# KiCad board ENV_KB_RGB.kicad_pcb (continued)
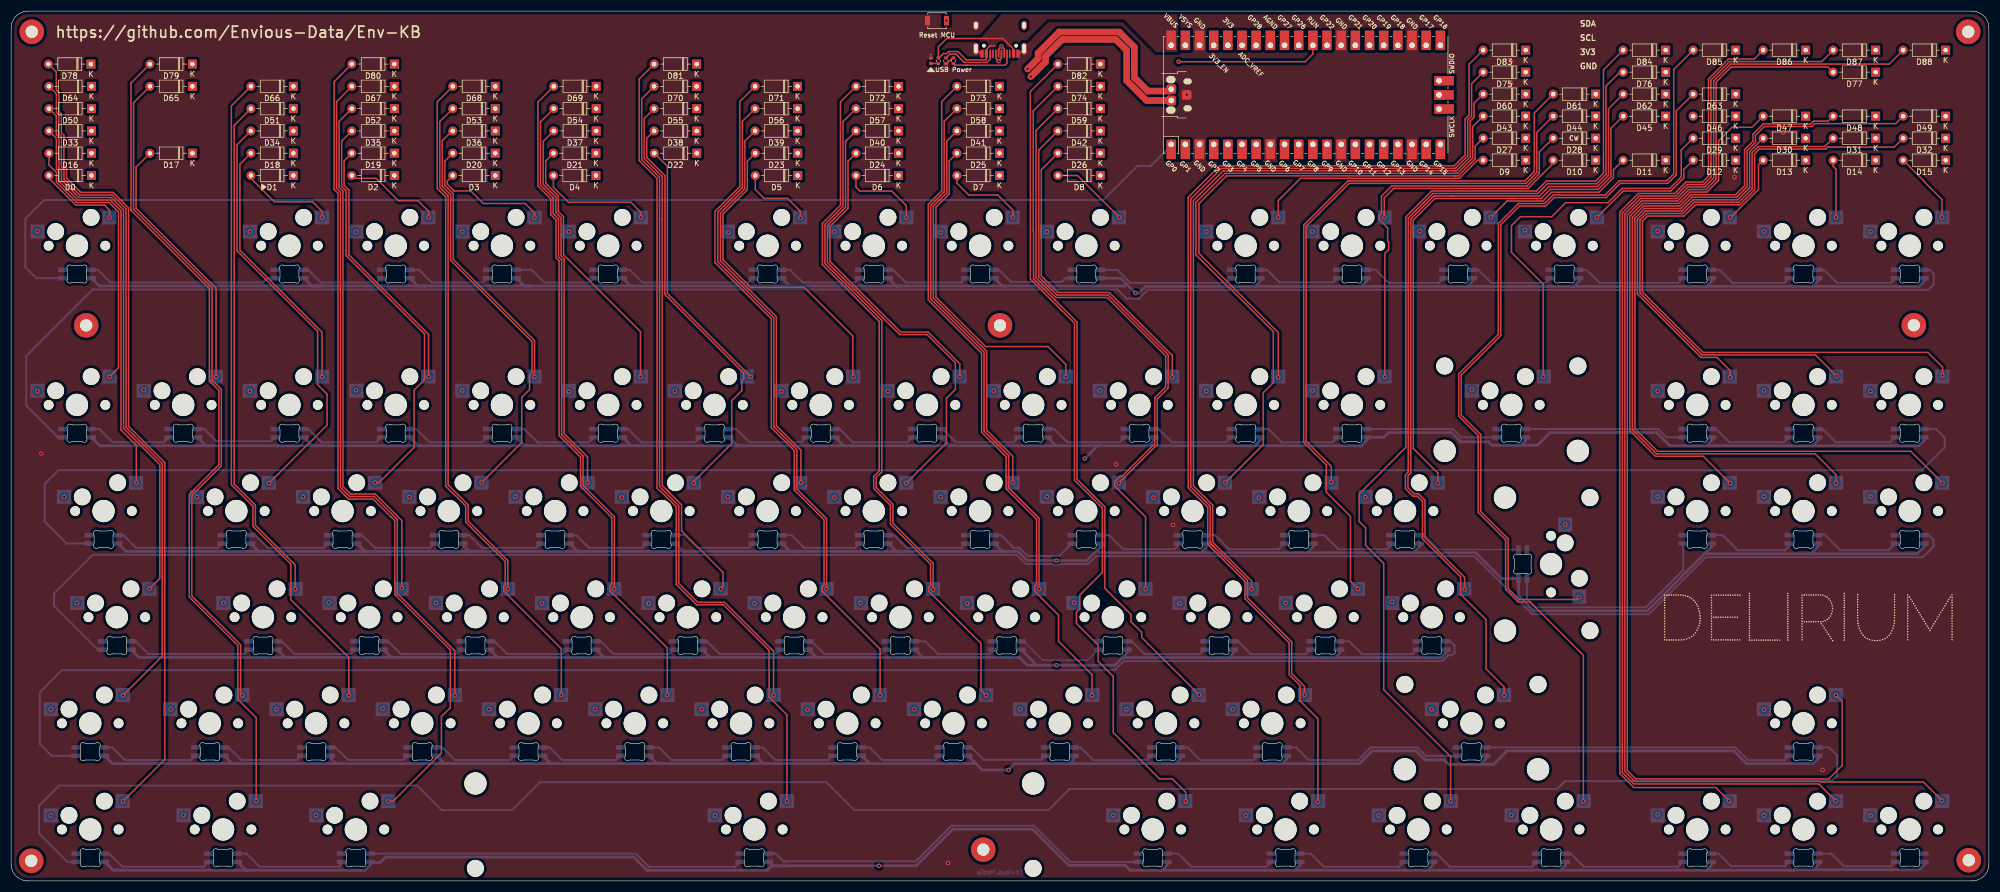
[diagram p0: board, top side]
## Routing (per net, layer and track width the routed paths; a pad name or vN(x,y) marks a point on that pad's centre or on a via; arc(x,y) is an arc through that point) (continued)
Net-(D0-Pad2): length 15
  Top w0.25: 6.78,126.6 6.78,126.1 11.58,121.3 16.7,121.3 17.64,120.36 v1(17.64,119.08)
Net-(D1-Pad2): length 16.3
  Top w0.25: v1(55.74,119.08) 55.74,120.18 54.04,121.88 47.2,121.88 42.98,126.1
Net-(D2-Pad2): length 17.5
  Top w0.25: D2.2 61.58,126.1 65.42,126.1 69.44,122.08 72.94,122.08 74.84,120.18 v1(74.84,119.08)
Net-(D3-Pad2): length 20.9
  Top w0.25: v1(93.84,119.08) 93.84,119.88 92.14,121.58 84.64,121.58 82.39,123.83 79.42,123.83 ; 79.42,123.83 79.18,124.07 ; 79.42,123.83 79.41,123.83 78.2,125.04 78.2,125.62 D3.2
Net-(D4-Pad2): length 20.1
  Top w0.25: v1(112.9,119.1) 112.9,120 111.1,121.8 99.9,121.8 97.23,124.47 97.23,126.1
Net-(D5-Pad2): length 12.9
  Top w0.25: v1(141.5,119) 141.5,120.2 139.2,122.5 135,122.5 133.42,124.08 133.42,126.1
Net-(D6-Pad2): length 14.1
  Top w0.25: 151.48,126.1 151.48,124.52 152.2,123.8 157.9,123.8 160.5,121.2 v1(160.5,119.1)
Net-(D7-Pad2): length 15
  Top w0.25: v1(179.6,119.1) 179.6,120.4 176.9,123.1 171.7,123.1 169.58,125.22 D7.2 169.58,126.27
Net-(D8-Pad2): length 14.7
  Top w0.25: 188.3,126.6 D8.2 191.2,126.6 v1(198.7,119.1)
Net-(D9-Pad2): length 43
  Top w0.25: v1(227.2,119.1) 227.2,122.1 231.19,126.09 240.01,126.09 259.67,126.09 262.93,129.35 D9.2 263.65,129.35
Net-(D10-Pad2): length 36.9
  Top w0.25: v1(246.2,119.1) 246.2,122.6 247.88,124.28 271.98,124.28 276.48,128.77 D10.2
Net-(D11-Pad2): length 28.8
  Top w0.25: v1(265.3,119.1) 268.23,122.03 274.64,122.03 276.21,123.6 284.69,123.6 287.3,126.21 287.3,127.62 D11.2
Net-(D12-Pad2): length 22.4
  Top w0.25: v1(284.31,119.08) 289.05,123.83 297.57,123.83 299.57,125.83 299.57,125.83 299.9,126.15 299.9,127.67 D12.2
Net-(D13-Pad2): length 12.8
  Top w0.25: v1(308.2,119.1) 308.32,119.1 313.3,124.08 313.3,128.52 D13.2
Net-(D14-Pad2): length 10.5
  Top w0.25: v1(327.2,119.1) 327.2,127.73 326.68,128.25 D14.2
Net-(D15-Pad2): length 13.1
  Top w0.25: v1(346.2,119.1) 346.2,122.3 342.95,125.55 342.95,125.63 D15.2
Net-(D16-Pad2): length 49.3
  Top w0.25: v1(17.64,90.48) 19.25,92.09 19.25,120.05 17.55,121.75 11.77,121.75 8.12,125.4 8.12,127.15 6.78,128.49 6.78,130.6
Net-(D17-Pad2): length 47.1
  Top w0.25: D17.2 22.4,128.12 22.4,120.72 36.74,106.38 v1(36.74,90.48)
Net-(D18-Pad2): length 47.2
  Top w0.25: 41.01,124.19 41.01,124.36 ; 41.01,124.19 41.01,128.63 D18.2 ; 41.01,124.19 41.01,113.21 55.74,98.48 v1(55.74,90.48)
Net-(D19-Pad2): length 47.1
  Top w0.25: D19.2 59.7,129.22 59.7,124.85 60.55,124 60.57,124 60.57,121.43 ; v1(74.84,90.48) 74.84,98.08 60.57,112.35 60.57,121.43 ; 60.57,121.43 60.57,121.57
Net-(D20-Pad2): length 47.4
  Top w0.25: v1(93.84,90.48) 93.84,96.98 79.25,111.57 79.25,123.35 77.75,124.85 77.75,129.17 D20.2
Net-(D21-Pad2): length 47.7
  Top w0.25: D21.2 95.85,129.22 95.85,125.2 98.1,122.95 98.1,120.12 99.04,119.18 99.04,112.38 112.84,98.58 v1(112.84,90.48)
Net-(D22-Pad2): length 47.3
  Top w0.25: v1(132.6,90.5) 117.66,105.44 117.66,128.26 D22.2
Net-(D23-Pad2): length 57.8
  Top w0.25: v1(151,90.5) 150.9,90.6 150.9,97.8 142.2,106.5 132.6,106.5 127.63,111.47 127.63,119.67 132,124.05 132,129.19 D23.2
Net-(D24-Pad2): length 54.6
  Top w0.25: D24.2 150.05,129.17 150.05,120.7 146.8,117.45 146.8,111.2 159.5,98.5 164.4,98.5 170.1,92.8 v1(170.1,90.5)
Net-(D25-Pad2): length 57.9
  Top w0.25: D25.2 168.2,129.22 168.2,123.3 165.8,120.9 165.8,104.8 174.7,95.9 185.9,95.9 189.1,92.7 v1(189.1,90.5)
Net-(D26-Pad2): length 56.6
  Top w0.25: D26.2 184.7,127.62 184.7,108.6 187.7,105.6 196.9,105.6 208.2,94.3 v1(208.2,90.4)
Net-(D27-Pad2): length 94.4
  Top w0.25: 258.84,126.54 217.94,126.54 217.93,126.53 217.92,126.53 212.97,121.57 212.97,112.63 227.2,98.4 v1(227.2,90.4) ; 258.84,126.54 259,126.54 ; 258.84,126.54 259.48,126.54 262.5,129.55 262.5,131.87 D27.2
Net-(D28-Pad2): length 70.9
  Top w0.25: D28.2 274,130.82 274,126.93 271.8,124.73 247.53,124.73 245.7,122.9 245.7,119.9 245.3,119.5 245.3,118.7 246.8,117.2 246.8,114.8 247,114.6 247,113.3 246.3,112.6 v1(246.3,90.5)
Net-(D29-Pad2): length 71.4
  Top w0.25: D29.2 299.45,131.17 299.45,126.34 297.39,124.28 288.85,124.28 286.3,121.72 278.72,121.72 276.2,119.2 270.6,119.2 269,117.6 269,112.8 274.7,107.1 v1(274.7,90.5)
Net-(D30-Pad2): length 69.4
  Top w0.25: v1(308.2,90.4) 308.2,91.6 305.85,93.95 302.98,93.95 291.59,105.34 291.59,118.38 291.59,118.75 293.06,120.22 299.54,120.22 301.57,122.25 308.65,122.25 ; 308.65,122.25 309.56,122.25 311.7,124.39 311.7,130.87 D30.2 ; 308.65,122.25 308.8,122.25
Net-(D31-Pad2): length 99
  Top w0.25: v1(327.3,90.6) 323.5,94.4 303.16,94.4 292.04,105.53 292.04,118.57 292.04,118.57 293.24,119.77 299.73,119.77 301.75,121.8 309.75,121.8 312.15,124.2 312.15,130.68 313.27,131.8 325.18,131.8 D31.2
Net-(D32-Pad2): length 130.4
  Top w0.25: 346.3,90.6 v1(346.3,90.7) 346.3,92.2 343.65,94.85 303.35,94.85 292.49,105.71 292.49,118.38 293.43,119.32 299.94,119.32 301.97,121.35 309.93,121.35 312.6,124.02 312.6,130.5 313.45,131.35 325.37,131.35 325.72,131.7 337.63,131.7 D32.2
Net-(D33-Pad2): length 73
  Top w0.25: v1(22.44,71.48) 22.44,78.18 19.7,80.92 19.7,120.24 17.74,122.2 11.95,122.2 8.57,125.58 8.57,127.34 8.11,127.8 8.11,133.27 6.78,134.6
Net-(D34-Pad2): length 75.2
  Top w0.25: v1(46.24,71.38) 56.64,81.78 56.64,87.38 54.94,89.08 54.94,98.64 40.5,113.08 40.5,132.12 D34.2
Net-(D35-Pad2): length 74.3
  Top w0.25: 59.25,132.77 59.34,132.86 ; 59.25,132.77 59.25,124.66 60.06,123.85 60.06,113.2 60.04,113.18 60.04,112.24 74.12,98.17 74.12,89.95 72.24,88.08 72.24,77.78 65.94,71.48 v1(65.24,71.48) ; 59.25,132.77 D35.2
Net-(D36-Pad2): length 74.6
  Top w0.25: D36.2 79.05,134.6 77.3,132.85 77.3,124.66 78.8,123.16 78.8,122.2 ; 78.8,122.2 78.8,111.39 93.39,96.79 93.39,91.23 92.94,90.78 92.94,88.18 91.54,86.78 91.54,78.68 v1(84.34,71.48) ; 78.8,122.2 78.8,122.41
Net-(D37-Pad2): length 67.2
  Top w0.25: D37.2 95.4,132.72 95.4,125.01 97.65,122.76 97.65,119.94 98.59,118.99 98.59,112.19 99.14,111.64 99.14,80.28 103.34,76.08 v1(103.34,71.48)
Net-(D38-Pad2): length 74.7
  Top w0.25: D38.2 113.95,133.27 113.95,129.85 117.21,126.59 117.21,105.25 131.33,91.13 131.33,90.17 131,89.84 131,88 129.2,86.2 129.2,78.5 122.4,71.7 v1(122.4,71.4)
Net-(D39-Pad2): length 71.6
  Top w0.25: v1(141.6,71.5) 141.6,77.3 137.2,81.7 137.2,101.26 127.17,111.29 127.17,119.86 131.55,124.24 131.55,132.77 D39.2
Net-(D40-Pad2): length 81.5
  Top w0.25: 149.6,132.72 D40.2 ; 149.6,132.72 149.74,132.85 ; 149.6,132.72 149.6,120.89 146.35,117.64 146.35,111.01 159.31,98.05 164.21,98.05 169.3,92.96 169.3,88.2 167.7,86.6 167.7,78.6 v1(160.5,71.4)
Net-(D41-Pad2): length 70.8
  Top w0.25: D41.2 167.75,132.77 167.75,123.49 165.35,121.09 165.35,104.61 174.9,95.06 174.9,80.9 179.6,76.2 v1(179.6,71.5)
Net-(D42-Pad2): length 83.3
  Top w0.25: D42.2 184.25,131.17 184.25,108.41 187.51,105.15 196.71,105.15 207.45,94.41 207.45,88.45 205.5,86.5 205.5,78.3 v1(198.6,71.4)
Net-(D43-Pad2): length 120.9
  Top w0.25: D43.2 262.05,135.37 262.05,129.74 259.29,126.99 217.62,126.99 212.43,121.79 212.43,112.38 218.4,106.4 218.5,106.4 226.3,98.6 226.3,89.4 224.5,87.6 224.5,78.3 v1(217.7,71.5)
Net-(D44-Pad2): length 104.5
  Top w0.25: 236.7,71.5 v1(236.7,71.6) 236.7,74.4 232.2,78.9 232.2,117.5 239.88,125.18 271.62,125.18 273.55,127.11 273.55,134.32 D44.2
Net-(D45-Pad2): length 99.5
  Top w0.25: D45.2 286.85,135.07 286.85,126.4 284.56,124.11 275.96,124.11 274.33,122.48 255.28,122.48 251.4,118.6 251.4,77.6 255.8,73.2 v1(255.8,71.4)
Net-(D47-Pad2): length 95.9
  Top w0.25: v1(308.2,71.4) 303.4,76.2 294.83,76.2 290.23,80.8 290.23,119.3 292.5,121.58 298.98,121.58 301.03,123.62 304.02,123.62 306.15,125.75 306.15,132.83 308.57,135.25 312.13,135.25 D47.2
Net-(D48-Pad2): length 127.5
  Top w0.25: D48.2 325.79,136.36 323.2,136.36 322.69,135.85 314.14,135.85 312.31,134.02 312.31,132.76 310.8,131.24 310.8,130.65 310.8,124.76 309.19,123.15 301.19,123.15 299.17,121.12 292.68,121.12 290.68,119.13 290.68,80.98 295.01,76.65 323.45,76.65 327.2,72.9 v1(327.2,71.4)
Net-(D49-Pad2): length 157.2
  Top w0.25: D49.2 337.89,135.91 323.39,135.91 322.88,135.4 321.65,135.4 321.65,135.4 314.32,135.4 312.76,133.84 312.76,132.57 311.25,131.06 311.25,130.75 311.25,124.58 309.37,122.7 301.38,122.7 299.35,120.67 292.87,120.67 291.13,118.94 291.13,81.17 295.2,77.1 340.6,77.1 v1(346.3,71.4)
Net-(D50-Pad2): length 98.6
  Top w0.25: 24.74,52.38 v1(24.79,52.43) 26.64,54.28 26.64,74.71 20.15,81.2 20.15,120.43 17.92,122.65 12.14,122.65 9.02,125.77 9.02,127.52 8.56,127.98 8.56,133.46 8.1,133.92 8.1,137.28 6.78,138.6
Net-(D51-Pad2): length 92
  Top w0.25: D51.2 40,135.62 40,71.23 43.79,67.43 43.79,63.83 50.94,56.68 v1(50.94,52.38)
Net-(D52-Pad2): length 94.2
  Top w0.25: D52.2 58.8,136.32 58.8,124.48 59.5,123.78 59.5,70.8 60.86,69.43 65.29,69.43 70.04,64.68 v1(70.04,52.58)
Net-(D53-Pad2): length 92.3
  Top w0.25: 76.85,136.27 76.92,136.33 ; 76.85,136.27 76.85,124.48 78.34,122.99 78.34,122.98 78.35,122.97 78.35,71.07 81.94,67.48 81.94,64.58 89.04,57.48 v1(89.04,52.38) ; 76.85,136.27 D53.2
Net-(D54-Pad2): length 92.8
  Top w0.25: 97.52,138.37 97.05,138.37 94.9,136.22 94.9,124.88 97.2,122.58 97.2,119.75 98.14,118.81 98.14,112.01 98.69,111.46 98.69,80.09 102.54,76.24 102.54,70.98 108.14,65.38 v1(108.14,52.38)
Net-(D55-Pad2): length 94
  Top w0.25: 116.7,118.75 116.73,118.77 ; 116.73,118.77 116.73,70.97 117.4,70.3 ; 116.73,118.77 116.73,126.44 113.5,129.66 113.5,136.82 D55.2 ; 117.4,70.3 120.2,67.5 120.2,62.82 127.64,55.38 127.64,52.84 v1(127.2,52.4) ; 117.4,70.3 118.1,69.6
Net-(D56-Pad2): length 97.1
  Top w0.25: D56.2 131.1,136.32 131.1,124.42 126.7,120.02 126.7,111.1 128.2,109.6 128.23,109.6 136.75,101.08 136.75,81.51 140.87,77.39 140.87,70.33 146.2,65 v1(146.2,52.4)
Net-(D57-Pad2): length 97.5
  Top w0.25: v1(165.3,52.3) 165.3,57 158.1,64.2 158.1,67.6 155.1,70.6 155.1,72.4 156.1,73.4 156.1,100.6 145.9,110.8 145.9,117.82 149.15,121.07 149.15,136.27 D57.2
Net-(D58-Pad2): length 96.2
  Top w0.25: v1(184.3,52.4) 184.3,65.1 178.85,70.55 178.85,76.31 174.45,80.71 174.45,94.88 164.9,104.43 164.9,121.27 167.3,123.67 167.3,136.32 D58.2
Net-(D59-Pad2): length 109.2
  Top w0.25: D59.2 183.76,134.68 183.76,108.27 187.33,104.7 196.53,104.7 207,94.23 207,88.64 205.05,86.69 205.05,78.49 199.26,72.7 198.86,72.7 197.84,71.68 197.84,70.88 203.4,65.32 v1(203.4,52.4)
Net-(D60-Pad2): length 139.1
  Top w0.25: v1(222.4,52.4) 222.4,53.84 215.44,60.79 215.44,67.43 211.97,70.9 211.97,122.1 217.31,127.44 259.11,127.44 261.6,129.93 261.6,136.37 262.31,137.07 262.31,139.58 D60.2
Net-(D61-Pad2): length 130
  Top w0.25: D61.2 273.1,137.82 273.1,127.3 271.43,125.63 239.7,125.63 231.75,117.69 231.75,78.71 235.8,74.66 235.8,69.76 240.14,65.42 240.14,53.76 v1(241.5,52.4)
Net-(D62-Pad2): length 125.9
  Top w0.25: D62.2 286.4,138.57 286.4,126.6 284.42,124.62 275.71,124.62 274.01,122.93 258.33,122.93 ; 258.33,122.93 255.09,122.93 250.95,118.79 250.95,73.19 250.44,72.68 250.44,70.58 251.54,69.48 252.34,69.48 253.5,68.32 253.5,61.6 260.6,54.5 v1(260.6,52.3) ; 258.33,122.93 258.18,122.93
Net-(D63-Pad2): length 136.3
  Top w0.25: v1(281.1,50.9) 280.7,50.5 270.4,50.5 268.4,52.5 268.4,61.4 263.5,66.3 263.5,80.1 260,83.6 260,90.8 267.1,97.9 267.1,117.76 270.46,121.13 275.14,121.13 276.66,122.64 285.95,122.64 288.49,125.18 297.02,125.18 298.55,126.71 298.55,138.17 D63.2
Net-(D64-Pad2): length 124
  Top w0.25: 6.78,142.6 8.11,141.27 8.11,137.91 8.55,137.47 8.55,134.1 9.01,133.64 9.01,128.17 9.47,127.71 9.47,125.96 12.33,123.1 18.11,123.1 20.6,120.61 20.6,81.39 27.09,74.89 27.09,40.33 v1(20.04,33.28)
Net-(D65-Pad2): length 123
  Top w0.25: v1(41.44,33.28) 41.14,33.58 41.14,42.38 32.39,51.13 32.39,69.19 37.69,74.49 37.69,88.23 36.02,89.91 36.02,106.47 21.95,120.54 21.95,139.67 D65.2
Net-(D66-Pad2): length 119.5
  Top w0.25: v1(60.54,33.28) 60.54,40.08 50.14,50.48 50.14,56.84 43.34,63.64 43.34,67.24 39.49,71.1 39.49,139.11 D66.2
Net-(D67-Pad2): length 121.8
  Top w0.25: v1(79.54,33.28) 79.54,41.28 69.24,51.58 69.24,64.84 65.11,68.98 60.68,68.98 59.05,70.61 59.05,123.6 58.35,124.29 58.35,139.87 D67.2
Net-(D68-Pad2): length 119.8
  Top w0.25: v1(98.64,33.38) 98.64,41.68 88.32,52.01 88.32,52.85 88.59,53.13 88.59,57.29 81.49,64.39 81.49,67.29 79.11,69.68 79.04,69.68 77.9,70.82 77.9,122.79 76.4,124.29 76.4,139.82 D68.2
Net-(D69-Pad2): length 120.3
  Top w0.25: v1(117.64,33.38) 117.64,41.81 107.77,51.68 107.74,51.68 107.34,52.08 107.34,52.98 107.69,53.33 107.69,65.19 102.09,70.79 102.09,76.06 98.24,79.91 98.24,111.27 97.69,111.82 97.69,118.62 96.75,119.56 96.75,122.39 94.45,124.69 94.45,139.77 D69.2
Net-(D70-Pad2): length 122.8
  Top w0.25: D70.2 113.05,140.37 113.05,129.48 116.25,126.27 116.25,70.78 119.7,67.33 119.7,53.4 123.1,50 127.9,50 136.7,41.2 v1(136.7,33.3)
Net-(D71-Pad2): length 124.8
  Top w0.25: v1(155.8,33.3) 155.8,41.6 145.4,52 145.4,52.8 145.75,53.15 145.75,64.81 140.42,70.14 140.42,77.2 136.3,81.33 136.3,100.89 131.89,105.3 131.86,105.3 126.2,110.96 126.2,120.16 130.65,124.61 130.65,139.87 D71.2
Net-(D72-Pad2): length 125.1
  Top w0.25: v1(174.8,33.3) 173.9,34.2 173.9,42.6 164.5,52 164.5,52.7 164.85,53.05 164.85,56.81 157.65,64.01 157.65,67.41 154.65,70.41 154.65,72.59 155.65,73.59 155.65,100.41 145.45,110.61 145.45,118.01 148.7,121.26 148.7,139.82 D72.2
Net-(D73-Pad2): length 123.9
  Top w0.25: D73.2 166.85,139.87 166.85,123.86 164.45,121.46 164.45,104.24 174,94.69 174,80.53 178.4,76.13 178.4,70.36 183.85,64.91 183.85,53.25 183.5,52.9 183.5,52 187.8,47.7 187.8,43 193.8,37 v1(193.8,33.3)
Net-(D74-Pad2): length 123.4
  Top w0.25: v1(213,33.4) 202.7,43.7 202.7,44.6 200.8,46.5 200.8,47.8 196.1,52.5 196.1,67.1 191.1,72.1 191.1,100.3 187.15,104.25 187.14,104.25 183.31,108.08 183.31,116.61 183.25,116.67 183.25,138.17 D74.2
Net-(D75-Pad2): length 167.9
  Top w0.25: 215.98,59.62 221.67,53.93 221.67,50.83 229.6,42.9 229.6,37.2 231.9,34.9 v1(231.9,33.4) ; 215.98,59.62 214.99,60.61 ; 215.98,59.62 214.99,60.61 ; 214.99,60.61 214.99,67.24 211.5,70.74 211.5,122.39 217,127.89 258.92,127.89 261.15,130.11 261.15,136.55 261.86,137.26 261.86,143.08 D75.2
Net-(D76-Pad2): length 152.3
  Top w0.25: v1(267.7,33.3) 267.7,34.8 264.44,38.06 264.44,46.88 259.87,51.45 259.87,54.59 253.05,61.41 253.05,68.14 252.16,69.03 251.36,69.03 249.99,70.39 249.99,72.87 250.5,73.37 250.5,118.97 254.9,123.38 273.7,123.38 275.45,125.13 284.28,125.13 285.95,126.8 285.95,142.65 288.45,145.15 D76.2
Net-(D77-Pad2): length 211.4
  Top w0.25: D77.2 325.75,146.08 308.39,146.08 305.7,143.39 305.7,125.94 303.83,124.07 300.85,124.07 298.8,122.03 292.31,122.03 289.78,119.49 289.78,19.82 291.3,18.3 325.9,18.3 328.3,20.7 328.3,32.2 v1(327.2,33.3)
Net-(D78-Pad2): length 147.7
  Top w0.25: 19.82,122.02 19.62,122.22 ; 19.82,122.02 21.05,120.8 21.05,81.57 27.54,75.08 27.54,21.78 v1(20.04,14.28) ; 19.82,122.02 18.28,123.57 12.49,123.57 9.92,126.14 9.92,127.9 9.46,128.36 9.46,133.83 9,134.29 9,137.65 8.56,138.09 8.56,141.46 8.1,141.92 8.1,145.18 6.68,146.6
Net-(D79-Pad2): length 147.6
  Top w0.25: 21.5,120.35 35.54,106.31 35.54,89.74 37.24,88.04 37.24,74.68 31.94,69.38 31.94,50.94 40.64,42.24 40.64,32.58 43.94,29.28 v1(43.94,14.38) ; 21.5,120.35 21.5,143.22 D79.2 ; 21.5,120.35 21.5,120.6
Net-(D80-Pad2): length 149.9
  Top w0.25: D80.2 57.9,143.42 57.9,124.1 58.59,123.41 58.59,70.43 60.49,68.53 64.89,68.53 68.14,65.28 68.17,65.28 68.79,64.66 68.79,51.39 78.74,41.44 78.74,31.08 77.14,29.48 77.14,22.95 68.47,14.28 v1(67.64,14.28)
Net-(D81-Pad2): length 147.3
  Top w0.25: v1(139.1,14.3) 139.1,29.8 135.9,33 135.9,41.36 127.71,49.55 122.91,49.55 119.25,53.21 119.25,67.15 116.5,69.9 116.4,69.9 115.8,70.5 115.8,126.09 112.6,129.29 112.6,143.92 D81.2
Net-(D82-Pad2): length 151.2
  Top w0.25: 210.5,14.2 v1(210.6,14.3) 210.6,15.9 208.2,18.3 205.9,18.3 197.6,26.6 197.6,36.7 194.9,39.4 194.9,42.3 191,46.2 191,48.2 191.6,48.8 191.6,51.3 195.65,55.35 195.65,66.91 190.65,71.91 190.65,100.1 182.74,108.01 182.74,141.66 D82.2
Net-(D83-Pad2): length 191.1
  Top w0.25: v1(234.3,14.2) 234.3,29.1 231.1,32.3 231.1,35.06 229.15,37.01 229.15,42.71 221.22,50.64 221.22,53.74 214.54,60.42 214.54,67.06 211.05,70.55 211.05,122.7 216.69,128.34 258.74,128.34 260.7,130.3 260.7,136.74 261.41,137.44 261.41,146.58 D83.2
Net-(D84-Pad2): length 177.4
  Top w0.25: D84.2 285.5,145.57 285.5,127 284.1,125.6 275.25,125.6 273.48,123.83 257.74,123.83 254.72,123.83 250.05,119.16 250.05,77.79 241.7,69.44 241.7,64.5 242.85,63.35 242.85,60.21 246.1,56.96 246.1,34.3 258.1,22.3 v1(258.1,14.3)
Net-(D85-Pad2): length 175.9
  Top w0.25: v1(281.9,14.3) 281.9,40.5 272.35,50.05 270.21,50.05 267.95,52.31 267.95,61.21 263.05,66.11 263.05,79.91 259.55,83.41 259.55,90.99 266.65,98.09 266.65,117.95 270.28,121.58 274.95,121.58 276.47,123.1 285.76,123.1 288.32,125.65 296.85,125.65 298.1,126.9 298.1,145.62 D85.2
Net-(D86-Pad2): length 170.5
  Top w0.25: 308.2,14.4 v1(308,14.4) 305.65,16.75 290.94,16.75 288.42,19.27 288.42,120.06 291.74,123.38 298.24,123.38 300.29,125.43 303.28,125.43 304.32,126.47 304.32,143.93 307.9,147.5 312.53,147.5 D86.2
Net-(D87-Pad2): length 201.4
  Top w0.25: 327.2,14.3 v1(327.13,14.37) 324.1,17.4 290.93,17.4 288.88,19.45 288.88,119.88 291.93,122.93 298.42,122.93 300.47,124.97 303.46,124.97 304.78,126.29 304.78,128.77 ; 304.77,128.43 304.77,128.77 ; 304.77,128.77 304.77,143.74 308.09,147.05 324.63,147.05 D87.2
Net-(D88-Pad2): length 231.5
  Top w0.25: 346.3,14.3 v1(346.18,14.42) 342.85,17.75 324.39,17.75 324.29,17.85 291.11,17.85 289.33,19.64 289.33,119.68 292.12,122.48 298.61,122.48 300.66,124.52 303.65,124.52 305.25,126.13 305.25,143.58 308.27,146.6 336.73,146.6 D88.2
Net-(LED1-Pad2): length 34.2
  Bottom w0.35: 47.3,108.17 45.87,108.17 45.1,107.4 17.8,107.4 15.53,109.67 LED1.2
Net-(LED2-Pad2): length 15.1
  Bottom w0.35: LED3.4 65.58,107.4 55.57,107.4 53.3,109.67 LED2.2
Net-(LED3-Pad2): length 15.1
  Bottom w0.35: LED4.4 84.63,107.4 75.4,107.4 73.13,109.67 LED3.2
Net-(LED4-Pad2): length 15.1
  Bottom w0.35: LED4.2 93.33,109.67 95.6,107.4 103.68,107.4 LED5.4
Net-(LED5-Pad2): length 24.6
  Bottom w0.35: LED5.2 110.93,109.67 113.2,107.4 132.25,107.4 LED6.4
Net-(LED6-Pad2): length 15.1
  Bottom w0.35: LED6.2 139.63,109.67 141.9,107.4 151.3,107.4 LED7.4
Net-(LED7-Pad2): length 15.1
  Bottom w0.35: LED8.4 170.35,107.4 160.4,107.4 158.13,109.67 LED7.2
Net-(LED8-Pad2): length 15
  Bottom w0.35: LED8.2 177.13,109.67 179.3,107.5 188.4,107.5 189.07,108.17 LED9.4
Net-(LED10-Pad2): length 15.1
  Bottom w0.35: LED11.4 237.05,107.42 227.44,107.42 225.19,109.67 LED10.2
Net-(LED10-Pad4): length 24.7
  Bottom w0.35: LED9.2 198.31,109.67 200.66,107.33 217.91,107.33 218.75,108.17
Net-(LED11-Pad2): length 15.2
  Bottom w0.35: LED12.4 256.01,107.33 247,107.33 244.66,109.67 LED11.2
Net-(LED12-Pad2): length 15.2
  Bottom w0.35: LED13.4 275.06,107.33 265.4,107.33 263.06,109.67 LED12.2
Net-(LED13-Pad2): length 19.9
  Bottom w0.35: 281.1,109.67 282.46,109.67 284.8,107.33 298.87,107.33 LED14.4
Net-(LED14-Pad2): length 15.2
  Bottom w0.35: LED14.2 306.26,109.67 308.6,107.33 317.92,107.33 LED15.4
Net-(LED15-Pad2): length 15.2
  Bottom w0.35: LED16.4 336.97,107.33 327.4,107.33 325.06,109.67 LED15.2
Net-(LED16-Pad2): length 370.4
  Bottom w0.35: LED16.2 344.03,109.67 344.7,109 344.7,107 343.77,106.07 203.77,106.07 202.2,104.5 200,104.5 198.35,106.15 14.65,106.15 2.7,94.2 2.7,85.29 8.4,79.6 9.2,79.6
Net-(LED17-Pad2): length 15.2
  Bottom w0.35: LED17.2 15.83,81.09 18.2,78.73 27.38,78.73 LED18.4
Net-(LED18-Pad2): length 15
  Bottom w0.35: LED18.2 34.63,81.09 36.83,78.9 46.61,78.9 47.3,79.59
Net-(LED19-Pad2): length 15.2
  Bottom w0.35: LED20.4 65.48,78.73 55.67,78.73 53.3,81.09 LED19.2
Net-(LED20-Pad2): length 15.2
  Bottom w0.35: LED20.2 72.63,81.09 75,78.73 84.53,78.73 LED21.4
Net-(LED21-Pad2): length 15.2
  Bottom w0.35: LED21.2 92.01,81.09 94.37,78.73 103.58,78.73 LED22.4
Net-(LED22-Pad2): length 15.2
  Bottom w0.35: LED23.4 122.63,78.73 112.97,78.73 110.61,81.09 LED22.2
Net-(LED23-Pad2): length 15.2
  Bottom w0.35: LED24.4 141.68,78.73 132.37,78.73 130,81.09 LED23.2
Net-(LED24-Pad2): length 15.2
  Bottom w0.35: LED25.4 160.73,78.73 150.92,78.73 148.55,81.09 147.75,81.09
Net-(LED25-Pad2): length 15.2
  Bottom w0.35: LED26.4 179.78,78.73 169.37,78.73 167,81.09 LED25.2
Net-(LED26-Pad2): length 15.2
  Bottom w0.35: LED26.2 187.03,81.09 189.4,78.73 198.83,78.73 LED27.4
Net-(LED27-Pad2): length 15.2
  Bottom w0.35: LED27.2 205.7,81.09 208.07,78.73 217.88,78.73 218.75,79.59
Net-(LED28-Pad2): length 15.2
  Bottom w0.35: LED29.4 236.93,78.73 227.8,78.73 225.43,81.09 LED28.2
Net-(LED29-Pad2): length 24
  Bottom w0.35: LED30.4 260,79.59 258.5,81.09 LED29.2
Net-(LED30-Pad2): length 28.8
  Bottom w0.35: LED30.2 295.31,81.09 296.81,79.59 LED31.4
Net-(LED31-Pad2): length 15.2
  Bottom w0.35: LED31.2 305.71,81.09 308.08,78.73 317.89,78.73 LED32.4
Net-(LED32-Pad2): length 15.2
  Bottom w0.35: LED33.4 336.94,78.73 327.13,78.73 324.76,81.09 LED32.2
Net-(LED33-Pad2): length 365.8
  Bottom w0.35: LED34.4 9.96,60.54 6,64.5 6,71.2 8.5,73.7 342.6,73.7 346.7,77.8 346.7,79.5 345.1,81.09 LED33.2
Net-(LED34-Pad2): length 19.9
  Bottom w0.35: LED34.2 20.13,62.04 22.4,59.77 37,59.77 LED35.4
Net-(LED35-Pad2): length 15.1
  Bottom w0.35: LED36.4 56.05,59.77 46.13,59.77 46.08,59.82 46,59.82 43.78,62.04 LED35.2
Net-(LED36-Pad2): length 15.1
  Bottom w0.35: LED36.2 62.93,62.04 65.2,59.77 75.1,59.77 LED37.4
Net-(LED37-Pad2): length 15.1
  Bottom w0.35: LED37.2 82.13,62.04 84.4,59.77 94.15,59.77 LED38.4
Net-(LED38-Pad2): length 15.1
  Bottom w0.35: LED38.2 101.33,62.04 103.6,59.77 113.2,59.77 LED39.4
Net-(LED39-Pad2): length 15.1
  Bottom w0.35: LED40.4 132.25,59.77 123,59.77 120.73,62.04 LED39.2
Net-(LED40-Pad2): length 15.1
  Bottom w0.35: LED40.2 139.93,62.04 142.2,59.77 151.3,59.77 LED41.4
Net-(LED41-Pad2): length 15.1
  Bottom w0.35: LED42.4 170.35,59.77 160.6,59.77 158.33,62.04 LED41.2
Net-(LED42-Pad2): length 16.5
  Bottom w0.25: 180.53,59.77 180.74,59.77
  Bottom w0.35: LED42.2 177.45,62.04 179.73,59.77 180.81,59.77 182.28,58.3 187.93,58.3 LED43.4
Net-(LED43-Pad2): length 15.6
  Bottom w0.35: LED44.4 209.23,60.13 208.62,59.53 199.37,59.53 196.86,62.04 LED43.2
Net-(LED44-Pad2): length 15.3
  Bottom w0.35: LED45.4 227.26,59.53 218.37,59.53 215.86,62.04 LED44.2
Net-(LED45-Pad2): length 15.6
  Bottom w0.35: LED45.2 235.45,62.04 237.97,59.53 246.72,59.53 247.32,60.13 LED46.4
Net-(LED46-Pad2): length 18.8
  Bottom w0.25: LED46.2 253.45,62.04 256.02,59.48 270.24,59.48 LED47.4
Net-(LED47-Pad2): length 39.9
  Bottom w0.35: LED48.4 299.8,60.46 299.8,55.8 293.1,49.1 273.28,49.1 271.77,50.61 LED47.2
Net-(LED48-Pad2): length 15.8
  Bottom w0.35: LED48.2 306.89,62.04 309.6,59.33 318.03,59.33 318.76,60.06 LED49.4
Net-(LED49-Pad2): length 16.4
  Bottom w0.35: LED49.2 323.73,62.04 323.58,62.2 325.1,62.2 327.97,59.33 336.6,59.33 LED50.4
Net-(LED50-Pad2): length 368
  Bottom w0.35: LED51.4 15.54,41.5 7.7,49.34 7.7,51.6 14.62,58.52 180.29,58.52 181.94,56.87 186.83,56.87 186.98,56.72 187.77,56.72 187.92,56.87 193.12,56.87 194.52,58.27 262.34,58.27 272.77,47.85 293.62,47.85 303.85,58.08 342.78,58.08 344.68,59.98 344.68,61.18 343.81,62.04 LED50.2
Net-(LED51-Pad2): length 22.3
  Bottom w0.35: LED52.4 41.77,40.73 24.61,40.73 22.34,43 LED51.2
Net-(LED52-Pad2): length 15.1
  Bottom w0.35: LED52.2 48.54,43 50.8,40.73 50.97,40.73 50.97,40.73 60.82,40.73 LED53.4
Net-(LED53-Pad2): length 15.1
  Bottom w0.35: LED53.2 67.59,43 69.86,40.73 79.87,40.73 LED54.4
Net-(LED54-Pad2): length 15.1
  Bottom w0.35: LED54.2 86.64,43 88.91,40.73 98.92,40.73 LED55.4
Net-(LED55-Pad2): length 15.1
  Bottom w0.35: LED56.4 117.97,40.73 107.96,40.73 105.69,43 LED55.2
Net-(LED56-Pad2): length 15.1
  Bottom w0.35: LED56.2 124.74,43 127.01,40.73 137.02,40.73 LED57.4
Net-(LED57-Pad2): length 15.1
  Bottom w0.35: LED57.2 143.5,43 145.77,40.73 156.07,40.73 LED58.4
Net-(LED58-Pad2): length 15.3
  Bottom w0.35: LED58.2 163.89,43 166.16,40.73 175.53,40.73 175.89,41.09 LED59.4
Net-(LED59-Pad2): length 16
  Bottom w0.25: LED60.4 193.04,39.6 185,39.6 181.61,43 LED59.2
Net-(LED60-Pad2): length 15.1
  Bottom w0.35: LED60.2 200.94,43 203.24,40.69 213.19,40.69 LED61.4
Net-(LED61-Pad2): length 15.1
  Bottom w0.35: LED61.2 219.99,43 222.29,40.69 232.19,40.69 233,41.5 LED62.4
Net-(LED62-Pad2): length 15.1
  Bottom w0.35: LED62.2 239.9,43 242.2,40.69 251.29,40.69 LED63.4
Net-(LED63-Pad2): length 276.4
  Bottom w0.35: LED64.4 7.26,22.44 5.15,24.55 5.15,33.85 9.1,37.8 197.85,37.8 199.49,39.44 256.64,39.44 257.7,40.5 258.4,40.5 258.8,40.9 258.8,42.28 258.09,43 LED63.2
Net-(LED64-Pad2): length 17.5
  Bottom w0.35: LED65.4 32.25,21.68 20.4,21.68 18.13,23.94 LED64.2
Net-(LED65-Pad2): length 15.1
  Bottom w0.35: LED66.4 51.3,21.68 41.28,21.68 39.01,23.94 LED65.2
Net-(LED66-Pad2): length 15.1
  Bottom w0.35: LED66.2 58.16,23.94 60.4,21.7 70.37,21.7 LED67.4
Net-(LED67-Pad2): length 15.1
  Bottom w0.35: LED67.2 77.33,23.94 79.6,21.68 89.4,21.68 LED68.4
Net-(LED68-Pad2): length 15.1
  Bottom w0.35: LED68.2 96.55,23.94 98.82,21.68 108.45,21.68 LED69.4
Net-(LED69-Pad2): length 15.1
  Bottom w0.35: LED70.4 127.5,21.68 118.4,21.68 116.13,23.94 LED69.2
Net-(LED70-Pad2): length 15.1
  Bottom w0.35: LED70.2 134.73,23.94 137,21.68 146.55,21.68 LED71.4
Net-(LED71-Pad2): length 15.1
  Bottom w0.35: LED71.2 153.93,23.94 156.2,21.68 165.6,21.68 LED72.4
Net-(LED72-Pad2): length 15.1
  Bottom w0.35: LED73.4 184.69,21.73 174.37,21.73 172.16,23.94 LED72.2
Net-(LED73-Pad2): length 15.1
  Bottom w0.35: LED74.4 203.7,21.68 194.02,21.68 191.75,23.94 LED73.2
Net-(LED74-Pad2): length 15.1
  Bottom w0.35: LED74.2 210.93,23.94 213.2,21.68 222.75,21.68 LED75.4
Net-(LED75-Pad2): length 33
  Bottom w0.35: LED75.2 230.35,23.94 232.62,21.68 241.49,21.68 243.76,23.94 252.15,23.94 253.65,22.44 LED76.4
Net-(LED76-Pad2): length 55.6
  Bottom w0.35: LED76.2 309.15,23.94 311.42,21.68 318,21.68 LED77.4
Net-(LED77-Pad2): length 353.8
  Bottom w0.35: LED77.2 325.95,23.94 327.4,22.5 327.4,18.9 326.4,17.9 278.6,17.9 277.2,16.5 189.8,16.5 186,12.7 151.2,12.7 146.2,17.7 94.8,17.7 89.8,12.7 77.2,12.7 72.8,17.1 8.6,17.1 5,13.5 5,8.5 10.11,3.4 LED78.4
Net-(LED78-Pad2): length 20
  Bottom w0.35: LED78.2 17.58,4.9 19.95,2.53 34.52,2.53 LED79.4
Net-(LED79-Pad2): length 20.2
  Bottom w0.35: LED79.2 42.2,4.9 44.57,2.53 58.75,2.53 59.21,2.98 LED80.4
Net-(LED80-Pad2): length 67.6
  Bottom w0.35: LED80.2 112.01,4.9 114.37,2.53 129.77,2.53 LED81.4
Net-(LED81-Pad2): length 72.3
  Bottom w0.35: LED81.2 137.03,4.9 138.6,3.33 138.77,3.5 162.2,3.5 168.6,9.9 183.4,9.9 189.91,3.4 LED82.4
Net-(LED82-Pad2): length 20
  Bottom w0.35: LED82.2 209.23,4.9 211.6,2.53 225.02,2.53 LED83.4
Net-(LED83-Pad2): length 20
  Bottom w0.35: LED84.4 248.84,2.53 235.37,2.53 233,4.9 LED83.2
Net-(LED84-Pad2): length 20
  Bottom w0.35: LED85.4 272.65,2.53 257.97,2.53 255.6,4.9 LED84.2
Net-(LED85-Pad2): length 22.3
  Bottom w0.35: LED86.4 298.84,2.53 282,2.53 279.63,4.9 LED85.2
Net-(LED86-Pad2): length 15.1
  Bottom w0.35: LED86.2 306.13,4.9 308.4,2.62 317.99,2.62 LED87.4
Net-(LED87-Pad2): length 15.1
  Bottom w0.35: LED87.2 326.33,4.9 328.6,2.62 337.04,2.62 LED88.4
Net-(PowerLED0-Pad2): length 1.4
  Top w0.25: PowerLED0.2 166.23,146.72 PowerLedResistor0.2
Net-(RESISTOR0-Pad1): length 10.1
  Top w0.25: USB1.10 175.55,147.48 174.97,146.9 170.9,146.9 169.4,148.4 168.29,148.4 167.6,147.71 167.61,147.71
Net-(RESISTOR1-Pad2): length 11.9
  Top w0.25: 171.4,146.4 169.24,146.4 RESISTOR1.2 ; 171.4,146.4 171.04,146.4 ; 171.4,146.4 178.2,146.4 178.55,146.75 USB1.4

## Copper pours and planes (outline as drawn; the poured copper is in the pictures)
GND on Top: 354.65,-0.05 -0.05,-0.05 -0.05,156.15 354.65,156.15
GND on Bottom: 354.65,-0.05 -0.05,-0.05 -0.05,156.15 354.65,156.15
GND on In1.Cu: 354.65,-0.05 -0.05,-0.05 -0.05,156.15 354.65,156.15
GND on In2.Cu: 354.65,-0.05 -0.05,-0.05 -0.05,156.15 354.65,156.15
USBVBUS on Top: 209.16,148.75 205.27,148.75 199.51,154.62 185.77,154.62 181.86,150.68 180.91,150.67 180.9,149.4 180.11,149.4 180.1,147.68 179.4,147.68 179.4,149.29 175.2,149.29 175.2,147.68 174.5,147.68 174.5,149.4 173.62,149.39 173.62,150.97 178.1,156.15 209.16,156.15

## Text on the board
Bottom: Envious.Media
F.Fab: PLEASE CHECK ALIGNMENT OF "HRO-TYPE-C-31-M-12"
F.SilkS: USB Power | Reset MCU | CW | SDA | SCL | 3V3 | GND | https://github.com/Envious-Data/Env-KB
